# Altium PCB BTF16_2.PcbDoc (part 1 of 4) (continued)
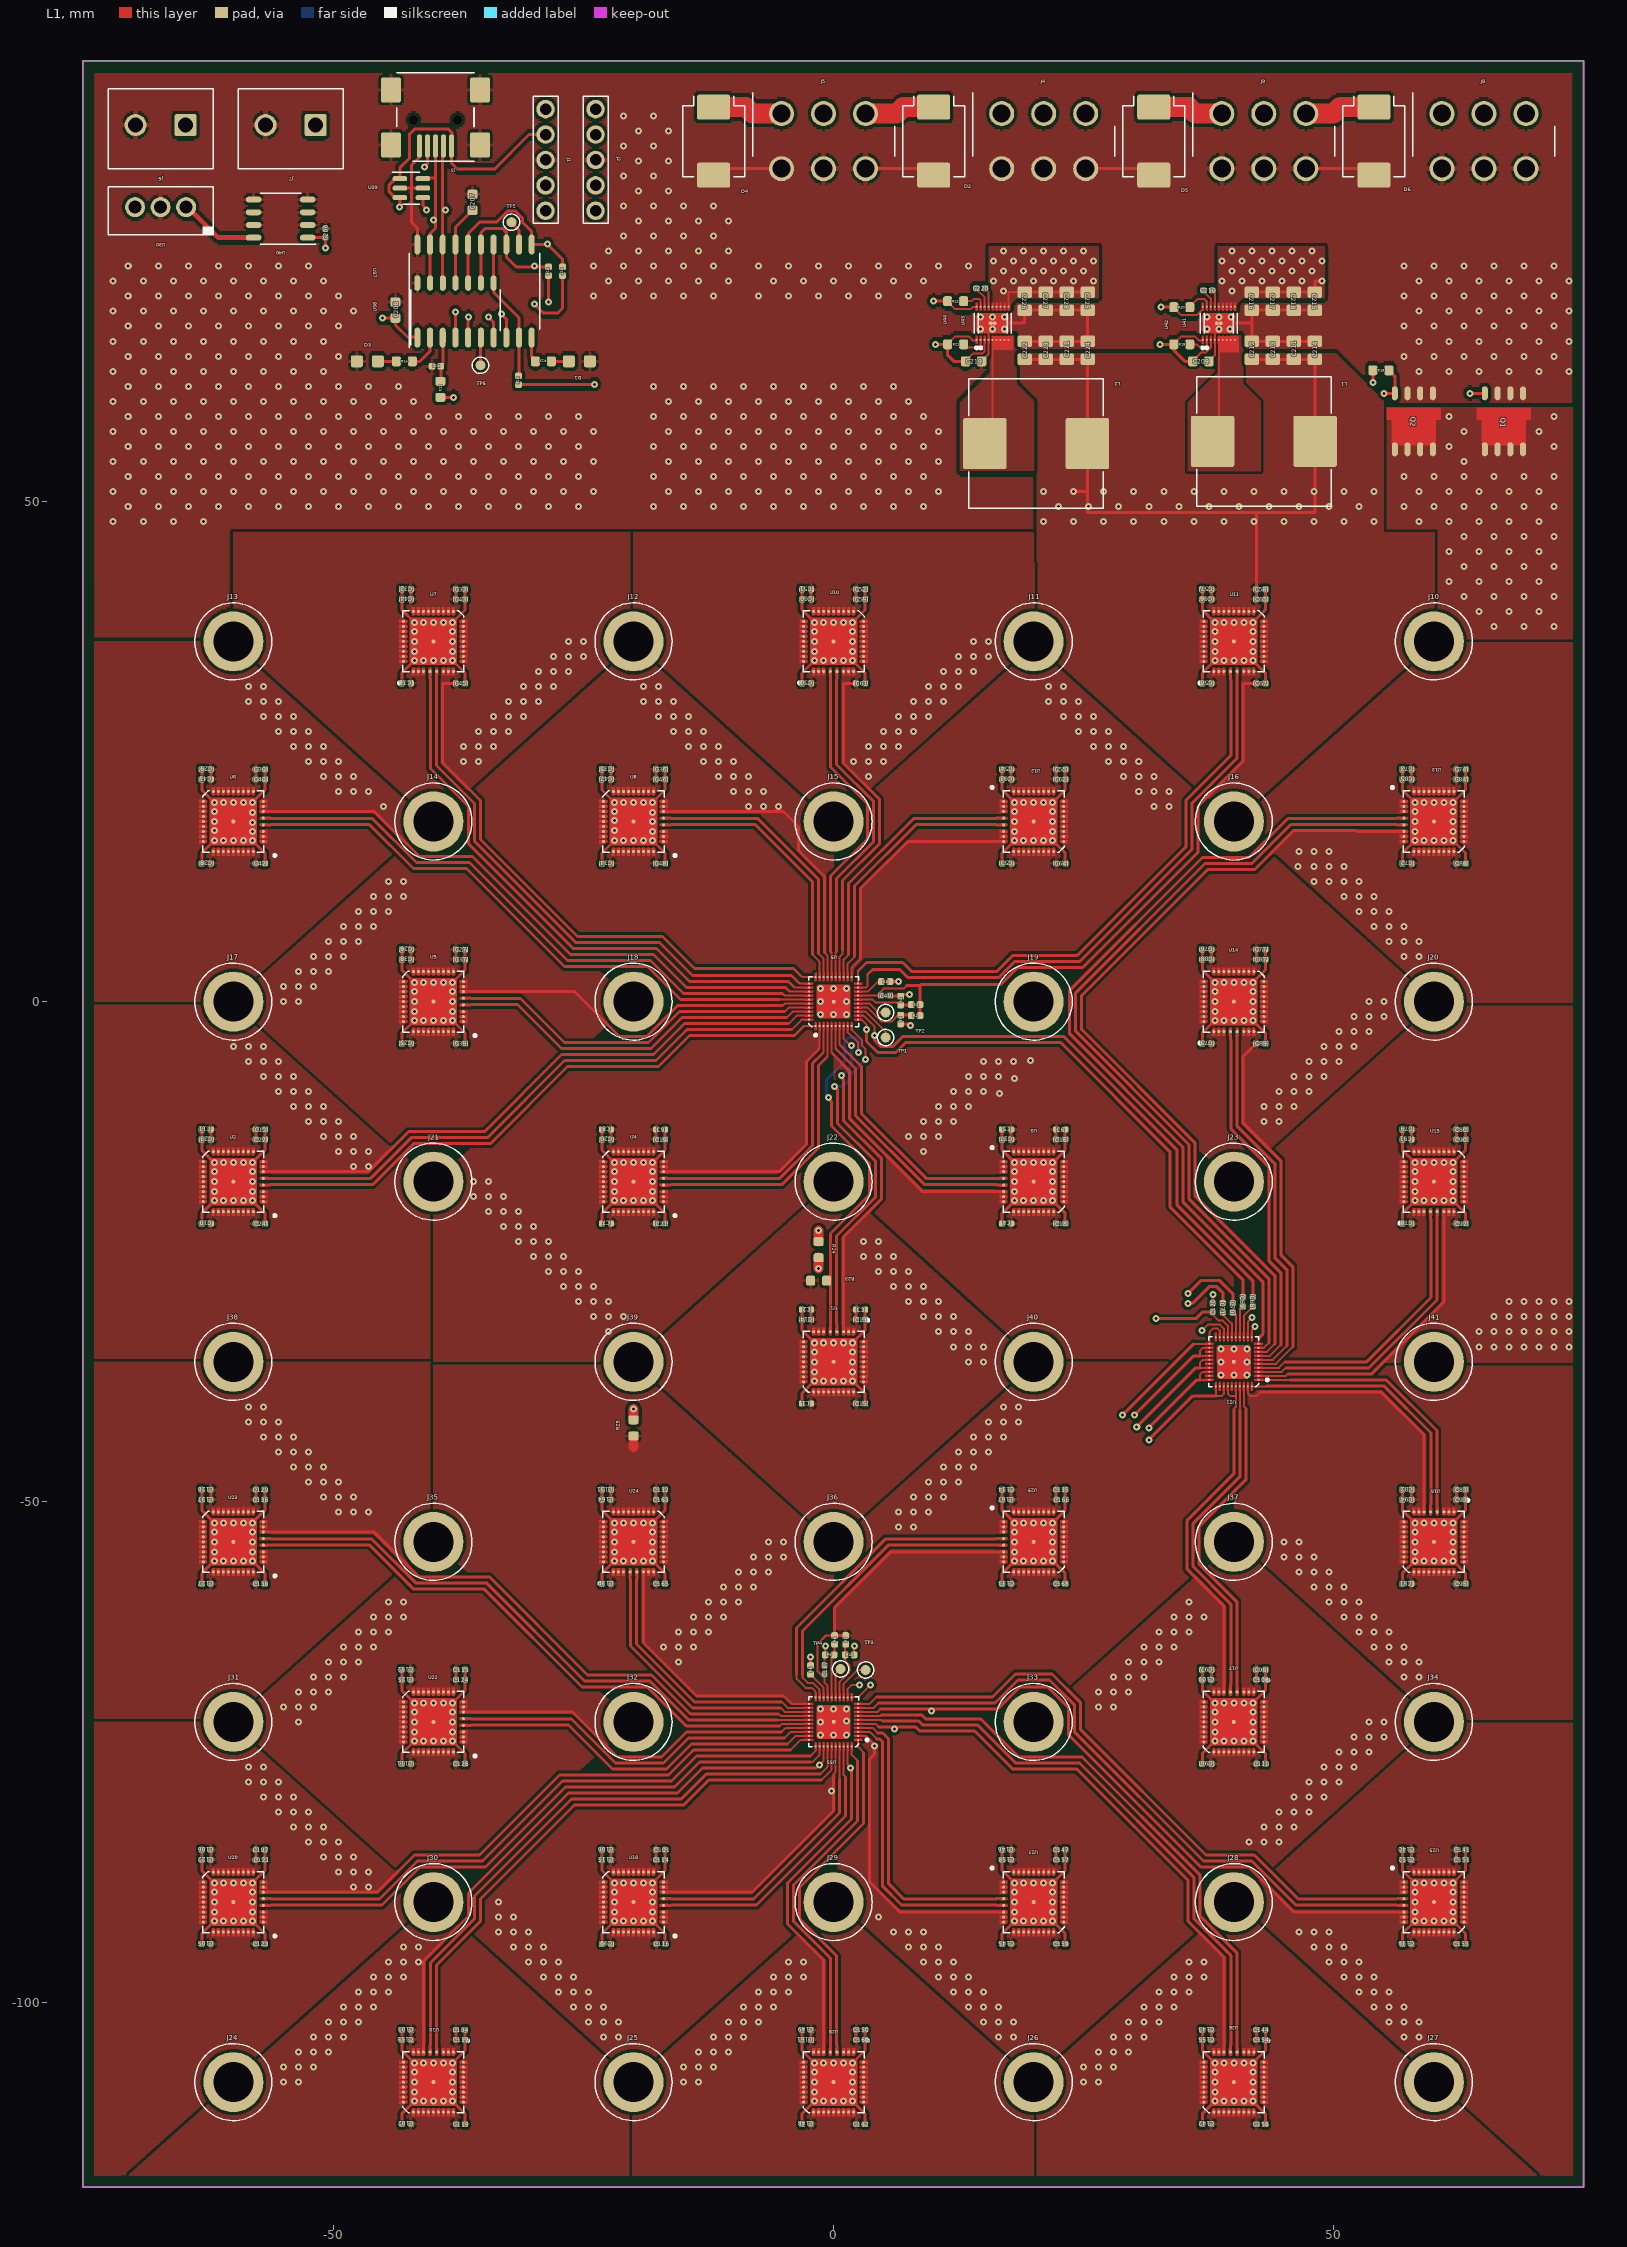
[diagram p0: L1 view]
## Design rules (kind name [scope] priority, off if disabled: settings) (continued)
PolygonConnect "Polygon Connect Style - L1 Square-rect thru-hole pad from global defaults" [IsPad And OnMultiLayer And (PadShape_TopLayer = 'Rounded Rectangle') And (PadXSize_TopLayer = PADYSize_TopLayer) And (Pad_CornerRadius_TopLayer = '0%') vs Layer = 'L1'] p42: connectstyle=Relief reliefconductorwidth=0.5 reliefentries=4 polygonreliefangle="90 Angle" airgapwidth=0.254
PolygonConnect "Polygon Connect Style - L4 Oval thru-hole pad from global defaults" [IsPad And OnMultiLayer And (PadShape_BottomLayer = 'Round') And (PadXSize_BottomLayer <> PADYSize_BottomLayer) vs Layer = 'L4'] p43: connectstyle=Relief reliefconductorwidth=0.5 reliefentries=4 polygonreliefangle="90 Angle" airgapwidth=0.254
PolygonConnect "Polygon Connect Style - L4 Round-oval thru-hole pad from global defaults" [IsPad And OnMultiLayer And (PadShape_BottomLayer = 'Rounded Rectangle') And (PadXSize_BottomLayer = PADYSize_BottomLayer) And (Pad_CornerRadius_BottomLayer = '100%') vs Layer = 'L4'] p44: connectstyle=Relief reliefconductorwidth=0.5 reliefentries=4 polygonreliefangle="90 Angle" airgapwidth=0.254
PolygonConnect "Polygon Connect Style - L3 Oval thru-hole pad from global defaults" [IsPad And OnMultiLayer And (PadShape_MidLayer2 = 'Round') And (PadXSize_MidLayer2 <> PADYSize_MidLayer2) vs Layer = 'L3'] p45: connectstyle=Relief reliefconductorwidth=0.5 reliefentries=4 polygonreliefangle="90 Angle" airgapwidth=0.254
PolygonConnect "Polygon Connect Style - L3 Round-oval thru-hole pad from global defaults" [IsPad And OnMultiLayer And (PadShape_MidLayer2 = 'Rounded Rectangle') And (PadXSize_MidLayer2 = PADYSize_MidLayer2) And (Pad_CornerRadius_MidLayer2 = '100%') vs Layer = 'L3'] p46: connectstyle=Relief reliefconductorwidth=0.5 reliefentries=4 polygonreliefangle="90 Angle" airgapwidth=0.254
PolygonConnect "Polygon Connect Style - L2 Oval thru-hole pad from global defaults" [IsPad And OnMultiLayer And (PadShape_MidLayer1 = 'Round') And (PadXSize_MidLayer1 <> PADYSize_MidLayer1) vs Layer = 'L2'] p47: connectstyle=Relief reliefconductorwidth=0.5 reliefentries=4 polygonreliefangle="90 Angle" airgapwidth=0.254
PolygonConnect "Polygon Connect Style - L2 Round-oval thru-hole pad from global defaults" [IsPad And OnMultiLayer And (PadShape_MidLayer1 = 'Rounded Rectangle') And (PadXSize_MidLayer1 = PADYSize_MidLayer1) And (Pad_CornerRadius_MidLayer1 = '100%') vs Layer = 'L2'] p48: connectstyle=Relief reliefconductorwidth=0.5 reliefentries=4 polygonreliefangle="90 Angle" airgapwidth=0.254
PolygonConnect "Polygon Connect Style - L1 Oval thru-hole pad from global defaults" [IsPad And OnMultiLayer And (PadShape_TopLayer = 'Round') And (PadXSize_TopLayer <> PADYSize_TopLayer) vs Layer = 'L1'] p49: connectstyle=Relief reliefconductorwidth=0.5 reliefentries=4 polygonreliefangle="90 Angle" airgapwidth=0.254
PolygonConnect "Polygon Connect Style - L1 Round-oval thru-hole pad from global defaults" [IsPad And OnMultiLayer And (PadShape_TopLayer = 'Rounded Rectangle') And (PadXSize_TopLayer = PADYSize_TopLayer) And (Pad_CornerRadius_TopLayer = '100%') vs Layer = 'L1'] p50: connectstyle=Relief reliefconductorwidth=0.5 reliefentries=4 polygonreliefangle="90 Angle" airgapwidth=0.254
PolygonConnect [All] p51: connectstyle=Relief reliefconductorwidth=0.254 reliefentries=4 polygonreliefangle="90 Angle" airgapwidth=0.254
RoutingLayers "'Default' PADS rule_3" [All] p1: top layer_v5=TRUE mid layer 1_v5=TRUE mid layer 2_v5=TRUE bottom layer_v5=TRUE
RoutingPriority "'Default' PADS rule_2" [All] p1: routingpriority=3
RoutingTopology "'Default' PADS rule" [All] p1: topology=Shortest
RoutingVias "'Default' PADS rule_4" [All] p1: holewidth=0.3 width=0.7 viastyle="Through Hole" minholewidth=0.3 minwidth=0.7 maxholewidth=0.3 maxwidth=0.7
SMDToCorner "'Default' PADS rule_17" [All] p1: distance=39370
SMDToPlane "'Default' PADS rule_18" [All] p1: distance=39370
SolderMaskExpansion [All] p1: expansion=0.102
StubLength "'Default' PADS rule_6" [All] p1: limit=25.4
Width "'Default' PADS rule_14" [All] p1: maxlimit=3 minlimit=0.2 preferedwidth=0.3
22 further rules are at their usual default settings.

## Classes and differential pairs
component class Block: C68 C69 C70 C71 J10 J11 J12 J13 J14 J15 J16 J17 J18 J19 J20 J21 J22 J23 J24 J25 J26 J27 J28 J29 J30 J31 J32 J33 J34 J35 J36 J37 J38 J39 J40 J41 Q1 Q2 R1 R2 R3 R4 R5 R6 R7 R8 R9 R10 TP1 TP2 TP3 TP4
component class U_ASIC_1: C72 C73 C74 C75 C76 C77 C78 C79 C80 C81 C82 C83 C84 C85 C86 C87 C88 C89 C90 C91 C92 C93 C94 C95 C96 C97 C98 C108 C109 C110 C120 U13 U14 U15 U16 U17 U21
component class U_ASIC_2: C99 C100 C101 C102 C103 C104 C105 C106 C107 C111 C112 C113 C114 C115 C116 C117 C118 C119 C121 C122 C123 C124 C125 C126 C127 C128 C129 C130 C131 C132 C133 C134 C135 C136 C137 C138 C139 C140 C141 C142 C143 C144 C145 C146 C147 C148 C149 C150 C151 C152 C153 C154 C155 C156 C157 C158 C159 C160 C161 C162 C163 C164 C165 C166 C167 C168 C187 U18 U19 U20 U22 U23 U24 U25 U26 U27 U28 U29 U33
component class U_ASIC_3: C1 C2 C3 C4 C5 C6 C7 C8 C9 C10 C11 C12 C13 C14 C15 C16 C17 C18 C19 C20 C21 C22 C23 C24 C25 C26 C27 C28 C29 C30 C31 C32 C33 C34 C35 C36 C37 C38 C39 C40 C41 C42 C43 C44 C45 C46 C47 C48 C49 C50 C51 C52 C53 C54 C55 C56 C57 C58 C59 C60 C61 C62 C63 C64 C65 C66 C67 R23 R24 R25 U1 U2 U3 U4 U5 U6 U7 U8 U9 U10 U11 U12
component class U_MCU: C206 C207 C208 D1 D2 D3 D4 D5 D6 J1 J2 J3 J4 J5 J6 J7 J8 J9 R11 R12 R13 R14 R15 R16 R17 R18 TP5 TP6 U30 U37 U38 U39 U40
component class U_POWER: C209 C210 C211 C212 C213 C214 C215 C216 C217 C218 C219 C220 C221 C222 C223 C224 C225 C226 C227 C228 L1 L2 R19 R20 R21 R22 U41 U42 U43 U44
pad class Flooded: C211-1 C211-2 C212-1 C212-2 C213-1 C213-2 C214-1 C214-2 C215-1 C215-2 C216-1 C216-2 C217-1 C217-2 C218-1 C218-2 C221-1 C221-2 C222-1 C222-2 C223-1 C223-2 C224-1 C224-2 C225-1 C225-2 C226-1 C226-2 C227-1 C227-2 C228-1 C228-2 D2-1 D2-2 D4-1 D4-2 D5-1 D5-2 D6-1 D6-2 J4-1 J4-2 J4-3 J4-4 J4-5 J4-6 J5-1 J5-2 J5-3 J5-4 L1-1 L1-2 L2-1 L2-2 Q1-1 Q1-2 Q1-3 Q1-4 Q1-5 Q1-6 Q1-7 Q1-8 Q2-1 Q2-2 Q2-3 Q2-4 Q2-5 Q2-6 Q2-7 Q2-8 U1-1 U1-2 U1-3 U1-4 U1-5 U1-6 U1-7 U1-8 U1-9 U1-10 U1-11 U1-12 U1-13 U1-14 U1-15 U1-16 U1-17 U1-18 U1-19 U1-20 U1-21 U1-22 U1-23 U1-24 U1-25 U1-26 U1-27 U1-28 U1-29 U1-30 U1-31 U1-32 U1-33 U1-34 U1-35 U1-36 U2-1 U2-2 U2-3 U2-4 U2-5 U2-6 U2-7 U2-8 U2-9 U2-10 U2-11 U2-12 U2-13 U2-14 U2-15 U2-16 U2-17 U2-18 U2-19 U2-20 U2-21 U2-22 U2-23 U2-24 U2-25 U2-26 U2-27 U2-28 U2-29 U2-30 U2-31 U2-32 U2-33 U2-34 U2-35 U2-36 U3-1 U3-2 U3-3 U3-4 U3-5 U3-6 U3-7 U3-8 U3-9 U3-10 U3-11 U3-12 U3-13 U3-14 U3-15 U3-16 U3-17 U3-18 U3-19 U3-20 U3-21 U3-22 U3-23 U3-24 U3-25 U3-26 U3-27 U3-28 U3-29 U3-30 U3-31 U3-32 U3-33 U3-34 U3-35 U3-36 U4-1 U4-2 U4-3 U4-4 U4-5 U4-6 U4-7 U4-8 U4-9 U4-10 U4-11 U4-12 U4-13 U4-14 U4-15 U4-16 U4-17 U4-18 U4-19 U4-20 U4-21 U4-22 U4-23 U4-24 U4-25 U4-26 U4-27 U4-28 U4-29 U4-30 U4-31 U4-32 U4-33 U4-34 U4-35 U4-36 U5-1 U5-2 U5-3 U5-4 U5-5 U5-6 U5-7 U5-8 U5-9 U5-10 U5-11 U5-12 U5-13 U5-14 U5-15 U5-16 U5-17 U5-18 U5-19 U5-20 U5-21 U5-22 U5-23 U5-24 U5-25 U5-26 U5-27 U5-28 U5-29 U5-30 U5-31 U5-32 U5-33 U5-34 U5-35 U5-36 U6-1 U6-2 U6-3 U6-4 U6-5 U6-6 U6-7 U6-8 U6-9 U6-10 U6-11 U6-12 U6-13 U6-14 U6-15 U6-16 U6-17 U6-18 U6-19 U6-20 U6-21 U6-22 U6-23 U6-24 U6-25 U6-26 U6-27 U6-28 U6-29 U6-30 U6-31 U6-32 U6-33 U6-34 U6-35 U6-36 U7-1 U7-2 U7-3 U7-4 U7-5 U7-6 U7-7 U7-8 U7-9 U7-10 U7-11 U7-12 U7-13 U7-14 U7-15 U7-16 U7-17 U7-18 U7-19 U7-20 U7-21 U7-22 U7-23 U7-24 U7-25 U7-26 U7-27 U7-28 U7-29 U7-30 U7-31 U7-32 U7-33 U7-34 U7-35 U7-36 U8-1 U8-2 U8-3 U8-4 U8-5 U8-6 U8-7 U8-8 U8-9 U8-10 U8-11 U8-12 U8-13 U8-14 U8-15 U8-16 U8-17 U8-18 U8-19 U8-20 U8-21 U8-22 U8-23 U8-24 U8-25 U8-26 U8-27 U8-28 U8-29 U8-30 U8-31 U8-32 U8-33 U8-34 U8-35 U8-36 U10-1 U10-2 U10-3 U10-4 U10-5 U10-6 U10-7 U10-8 U10-9 U10-10 U10-11 U10-12 U10-13 U10-14 U10-15 U10-16 U10-17 U10-18 U10-19 U10-20 U10-21 U10-22 U10-23 U10-24 U10-25 U10-26 U10-27 U10-28 U10-29 U10-30 U10-31 U10-32 U10-33 U10-34 U10-35 U10-36 U11-1 U11-2 U11-3 U11-4 U11-5 U11-6 U11-7 U11-8 U11-9 U11-10 U11-11 U11-12 U11-13 U11-14 U11-15 U11-16 U11-17 U11-18 U11-19 U11-20 U11-21 U11-22 U11-23 U11-24 U11-25 U11-26 U11-27 U11-28 U11-29 U11-30 U11-31 U11-32 U11-33 U11-34 U11-35 U11-36 U12-1 U12-2 U12-3 U12-4 U12-5 U12-6 U12-7 U12-8 U12-9 U12-10 U12-11 U12-12 U12-13 U12-14 U12-15 U12-16 U12-17 U12-18 U12-19 U12-20 U12-21 U12-22 U12-23 U12-24 U12-25 U12-26 U12-27 U12-28 U12-29 U12-30 U12-31 U12-32 U12-33 U12-34 U12-35 U12-36 U13-1 U13-2 U13-3 U13-4 U13-5 U13-6 U13-7 U13-8 U13-9 U13-10 U13-11 U13-12 U13-13 U13-14 U13-15 U13-16 U13-17 U13-18 U13-19 U13-20 U13-21 U13-22 U13-23 U13-24 U13-25 U13-26 U13-27 U13-28 U13-29 U13-30 U13-31 U13-32 U13-33 U13-34 U13-35 U13-36 U14-1 U14-2 U14-3 U14-4 U14-5 U14-6 U14-7 U14-8 U14-9 U14-10 U14-11 U14-12 U14-13 U14-14 U14-15 U14-16 U14-17 U14-18 U14-19 U14-20 U14-21 U14-22 U14-23 U14-24 U14-25 U14-26 U14-27 U14-28 U14-29 U14-30 U14-31 U14-32 U14-33 U14-34 U14-35 U14-36 U15-1 U15-2 U15-3 U15-4 U15-5 U15-6 U15-7 U15-8 U15-9 U15-10 U15-11 U15-12 U15-13 U15-14 U15-15 U15-16 U15-17 U15-18 U15-19 U15-20 U15-21 U15-22 U15-23 U15-24 U15-25 U15-26 U15-27 U15-28 U15-29 U15-30 U15-31 U15-32 U15-33 U15-34 U15-35 U15-36 U16-1 U16-2 U16-3 U16-4 U16-5 U16-6 U16-7 U16-8 U16-9 U16-10 U16-11 U16-12 U16-13 U16-14 U16-15 U16-16 U16-17 U16-18 U16-19 U16-20 U16-21 U16-22 U16-23 U16-24 U16-25 U16-26 U16-27 U16-28 U16-29 U16-30 U16-31 U16-32 U16-33 U16-34 U16-35 U16-36 U17-1 U17-2 U17-3 U17-4 U17-5 U17-6 U17-7 U17-8 U17-9 U17-10 U17-11 U17-12 U17-13 U17-14 U17-15 U17-16 U17-17 U17-18 U17-19 U17-20 U17-21 U17-22 U17-23 U17-24 U17-25 U17-26 U17-27 U17-28 U17-29 U17-30 U17-31 U17-32 U17-33 U17-34 U17-35 U17-36 U18-1 U18-2 U18-3 U18-4 U18-5 U18-6 U18-7 U18-8 U18-9 U18-10 U18-11 U18-12 U18-13 U18-14 U18-15 U18-16 U18-17 U18-18 U18-19 U18-20 U18-21 U18-22 U18-23 U18-24 U18-25 U18-26 U18-27 U18-28 U18-29 U18-30 U18-31 U18-32 U18-33 U18-34 U18-35 U18-36 U19-1 U19-2 U19-3 U19-4 U19-5 U19-6 U19-7 U19-8 U19-9 U19-10 U19-11 U19-12 U19-13 U19-14 U19-15 U19-16 U19-17 U19-18 U19-19 U19-20 U19-21 U19-22 U19-23 U19-24 U19-25 U19-26 U19-27 U19-28 U19-29 U19-30 U19-31 U19-32 U19-33 U19-34 U19-35 U19-36 U20-1 U20-2 U20-3 U20-4 U20-5 U20-6 U20-7 U20-8 U20-9 U20-10 U20-11 U20-12 U20-13 U20-14 U20-15 U20-16 U20-17 U20-18 U20-19 U20-20 U20-21 U20-22 U20-23 U20-24 U20-25 U20-26 U20-27 U20-28 U20-29 U20-30 U20-31 U20-32 U20-33 U20-34 U20-35 U20-36 U22-1 U22-2 U22-3 U22-4 U22-5 U22-6 U22-7 U22-8 U22-9 U22-10 U22-11 U22-12 U22-13 U22-14 U22-15 U22-16 U22-17 U22-18 U22-19 U22-20 U22-21 U22-22 U22-23 U22-24 U22-25 U22-26 U22-27 U22-28 U22-29 U22-30 U22-31 U22-32 U22-33 U22-34 U22-35 U22-36 U23-1 U23-2 U23-3 U23-4 U23-5 U23-6 U23-7 U23-8 U23-9 U23-10 U23-11 U23-12 U23-13 U23-14 U23-15 U23-16 U23-17 U23-18 U23-19 U23-20 U23-21 U23-22 U23-23 U23-24 U23-25 U23-26 U23-27 U23-28 U23-29 U23-30 U23-31 U23-32 U23-33 U23-34 U23-35 U23-36 U24-1 U24-2 U24-3 U24-4 U24-5 U24-6 U24-7 U24-8 U24-9 U24-10 U24-11 U24-12 U24-13 U24-14 U24-15 U24-16 U24-17 U24-18 U24-19 U24-20 U24-21 U24-22 U24-23 U24-24 U24-25 U24-26 U24-27 U24-28 U24-29 U24-30 U24-31 U24-32 U24-33 U24-34 U24-35 U24-36 U25-1 U25-2 U25-3 U25-4 U25-5 U25-6 U25-7 U25-8 U25-9 U25-10 U25-11 U25-12 U25-13 U25-14 U25-15 U25-16 U25-17 U25-18 U25-19 U25-20 U25-21 U25-22 U25-23 U25-24 U25-25 U25-26 U25-27 U25-28 U25-29 U25-30 U25-31 U25-32 U25-33 U25-34 U25-35 U25-36 U26-1 U26-2 U26-3 U26-4 U26-5 U26-6 U26-7 U26-8 U26-9 U26-10 U26-11 U26-12 U26-13 U26-14 U26-15 U26-16 U26-17 U26-18 U26-19 U26-20 U26-21 U26-22 U26-23 U26-24 U26-25 U26-26 U26-27 U26-28 U26-29 U26-30 U26-31 U26-32 U26-33 U26-34 U26-35 U26-36 U27-1 U27-2 U27-3 U27-4 U27-5 U27-6 U27-7 U27-8 U27-9 U27-10 U27-11 U27-12 U27-13 U27-14 U27-15 U27-16 U27-17 U27-18 U27-19 U27-20 U27-21 U27-22 U27-23 U27-24 U27-25 U27-26 U27-27 U27-28 U27-29 U27-30 U27-31 U27-32 U27-33 U27-34 U27-35 U27-36 U28-1 U28-2 U28-3 U28-4 U28-5 U28-6 U28-7 U28-8 U28-9 U28-10 U28-11 U28-12 U28-13 U28-14 U28-15 U28-16 U28-17 U28-18 U28-19 U28-20 U28-21 U28-22 U28-23 U28-24 U28-25 U28-26 U28-27 U28-28 U28-29 U28-30 U28-31 U28-32 U28-33 U28-34 U28-35 U28-36 U29-1 U29-2 U29-3 U29-4 U29-5 U29-6 U29-7 U29-8 U29-9 U29-10 U29-11 U29-12 U29-13 U29-14 U29-15 U29-16 U29-17 U29-18 U29-19 U29-20 U29-21 U29-22 U29-23 U29-24 U29-25 U29-26 U29-27 U29-28 U29-29 U29-30 U29-31 U29-32 U29-33 U29-34 U29-35 U29-36 U41-1 U41-2 U41-3 U41-4 U41-5 U41-6 U41-7 U41-8 U41-9 U41-10 U41-11 U41-12 U41-13 U41-14 U41-15 U41-16 U41-17 U42-1 U42-2 U42-3 U42-4 U42-5 U42-6 U42-7 U42-8 U42-9 U42-10 U42-11 U42-12 U42-13 U42-14 U42-15 U42-16 U42-17 U43-1 U43-2 U43-3 U43-4 U43-5 U43-6 U43-7 U43-8 U43-9 U43-10 U43-11 U43-12 U43-13 U43-14 U43-15 U43-16 U43-17 U44-1 U44-2 U44-3 U44-4 U44-5 U44-6 U44-7 U44-8 U44-9 U44-10 U44-11 U44-12 U44-13 U44-14 U44-15 U44-16 U44-17

## Components (designator, comment, footprint, x,y, rotation, side; value= is the part's Value field where it differs from the comment)
C1 "C" SMD_0402_CAPC1005X70N -2.701,-40.184 r180 top
C2 "C" SMD_0402_CAPC1005X70N -2.701,-30.784 r180 top
C3 "C" SMD_0402_CAPC1005X70N 2.699,-30.784 r0 top
C4 "C" SMD_0402_CAPC1005X70N 17.299,-22.184 r180 top
C5 "C" SMD_0402_CAPC1005X70N 17.299,-12.784 r180 top
C6 "C" SMD_0402_CAPC1005X70N 22.699,-12.784 r0 top
C7 "C" SMD_0402_CAPC1005X70N -22.701,-22.184 r180 top
C8 "C" SMD_0402_CAPC1005X70N -22.701,-12.784 r180 top
C9 "C" SMD_0402_CAPC1005X70N -17.301,-12.784 r0 top
C10 "C" SMD_0402_CAPC1005X70N -62.701,-22.184 r180 top
C11 "C" SMD_0402_CAPC1005X70N -62.701,-12.784 r180 top
C12 "C" SMD_0402_CAPC1005X70N -57.301,-12.784 r0 top
C13 "C" SMD_0402_CAPC1005X70N 2.699,-31.784 r0 top
C14 "C" SMD_0402_CAPC1005X70N -2.701,-31.784 r180 top
C15 "C" SMD_0402_CAPC1005X70N 2.699,-40.184 r0 top
C16 "C" SMD_0402_CAPC1005X70N 22.699,-13.784 r0 top
C17 "C" SMD_0402_CAPC1005X70N 17.299,-13.784 r180 top
C18 "C" SMD_0402_CAPC1005X70N 22.699,-22.184 r0 top
C19 "C" SMD_0402_CAPC1005X70N -17.301,-13.784 r0 top
C20 "C" SMD_0402_CAPC1005X70N -22.701,-13.784 r180 top
C21 "C" SMD_0402_CAPC1005X70N -17.301,-22.184 r0 top
C22 "C" SMD_0402_CAPC1005X70N -57.301,-13.784 r0 top
C23 "C" SMD_0402_CAPC1005X70N -62.701,-13.784 r180 top
C24 "C" SMD_0402_CAPC1005X70N -57.301,-22.184 r0 top
C25 "C" SMD_0402_CAPC1005X70N -42.701,-4.184 r180 top
C26 "C" SMD_0402_CAPC1005X70N -42.701,5.216 r180 top
C27 "C" SMD_0402_CAPC1005X70N -37.301,5.216 r0 top
C28 "C" SMD_0402_CAPC1005X70N -62.701,13.816 r180 top
C29 "C" SMD_0402_CAPC1005X70N -62.701,23.216 r180 top
C30 "C" SMD_0402_CAPC1005X70N -57.301,23.216 r0 top
C31 "C" SMD_0402_CAPC1005X70N -42.701,31.816 r180 top
C32 "C" SMD_0402_CAPC1005X70N -42.701,41.216 r180 top
C33 "C" SMD_0402_CAPC1005X70N -37.301,41.216 r0 top
C34 "C" SMD_0402_CAPC1005X70N -22.701,13.816 r180 top
C35 "C" SMD_0402_CAPC1005X70N -22.701,23.216 r180 top
C36 "C" SMD_0402_CAPC1005X70N -17.301,23.216 r0 top
C37 "C" SMD_0402_CAPC1005X70N -37.301,4.216 r0 top
C38 "C" SMD_0402_CAPC1005X70N -42.701,4.216 r180 top
C39 "C" SMD_0402_CAPC1005X70N -37.301,-4.184 r0 top
C40 "C" SMD_0402_CAPC1005X70N -57.301,22.216 r0 top
C41 "C" SMD_0402_CAPC1005X70N -62.701,22.216 r180 top
C42 "C" SMD_0402_CAPC1005X70N -57.301,13.816 r0 top
C43 "C" SMD_0402_CAPC1005X70N -37.301,40.216 r0 top
C44 "C" SMD_0402_CAPC1005X70N -42.701,40.216 r180 top
C45 "C" SMD_0402_CAPC1005X70N -37.301,31.816 r0 top
C46 "C" SMD_0402_CAPC1005X70N -17.301,22.216 r0 top
C47 "C" SMD_0402_CAPC1005X70N -22.701,22.216 r180 top
C48 "C" SMD_0402_CAPC1005X70N -17.301,13.816 r0 top
C49 "C" SMD_0402_CAPC1005X55N 5.2,0.6 r0 top
C50 "C" SMD_0402_CAPC1005X70N -2.701,31.816 r180 top
C51 "C" SMD_0402_CAPC1005X70N -2.701,41.216 r180 top
C52 "C" SMD_0402_CAPC1005X70N 2.699,41.216 r0 top
C53 "C" SMD_0402_CAPC1005X70N 17.299,13.816 r180 top
C54 "C" SMD_0402_CAPC1005X70N 17.299,23.216 r180 top
C55 "C" SMD_0402_CAPC1005X70N 22.699,23.216 r0 top
C56 "C" SMD_0402_CAPC1005X70N 37.299,31.816 r180 top
C57 "C" SMD_0402_CAPC1005X70N 37.299,41.216 r180 top
C58 "C" SMD_0402_CAPC1005X70N 42.699,41.216 r0 top
C59 "C" SMD_0402_CAPC1005X70N 2.699,40.216 r0 top
C60 "C" SMD_0402_CAPC1005X70N -2.701,40.216 r180 top
C61 "C" SMD_0402_CAPC1005X70N 2.699,31.816 r0 top
C62 "C" SMD_0402_CAPC1005X70N 22.699,22.216 r0 top
C63 "C" SMD_0402_CAPC1005X70N 17.299,22.216 r180 top
C64 "C" SMD_0402_CAPC1005X70N 22.699,13.816 r0 top
C65 "C" SMD_0402_CAPC1005X70N 42.699,40.216 r0 top
C66 "C" SMD_0402_CAPC1005X70N 37.299,40.216 r180 top
C67 "C" SMD_0402_CAPC1005X70N 42.699,31.816 r0 top
C68 "C" SMD_0402_CAPC1005X55N 41.9,-30 r270 top
C69 "C" SMD_0402_CAPC1005X55N 40.9,-30 r270 top
C70 "C" SMD_0402_CAPC1005X55N 39.9,-30.6 r270 top
C71 "C" SMD_0402_CAPC1005X55N 38.9,-30.6 r270 top
C72 "C" SMD_0402_CAPC1005X70N 57.299,13.816 r180 top
C73 "C" SMD_0402_CAPC1005X70N 57.299,23.216 r180 top
C74 "C" SMD_0402_CAPC1005X70N 62.699,23.216 r0 top
C75 "C" SMD_0402_CAPC1005X70N 37.299,-4.184 r180 top
C76 "C" SMD_0402_CAPC1005X70N 37.299,5.216 r180 top
C77 "C" SMD_0402_CAPC1005X70N 42.699,5.216 r0 top
C78 "C" SMD_0402_CAPC1005X70N 57.299,-22.184 r180 top
C79 "C" SMD_0402_CAPC1005X70N 57.299,-12.784 r180 top
C80 "C" SMD_0402_CAPC1005X70N 62.699,-12.784 r0 top
C81 "C" SMD_0402_CAPC1005X70N 57.299,-58.184 r180 top
C82 "C" SMD_0402_CAPC1005X70N 57.299,-48.784 r180 top
C83 "C" SMD_0402_CAPC1005X70N 62.699,-48.784 r0 top
C84 "C" SMD_0402_CAPC1005X70N 62.699,22.216 r0 top
C85 "C" SMD_0402_CAPC1005X70N 57.299,22.216 r180 top
C86 "C" SMD_0402_CAPC1005X70N 62.699,13.816 r0 top
C87 "C" SMD_0402_CAPC1005X70N 42.699,4.216 r0 top
C88 "C" SMD_0402_CAPC1005X70N 37.299,4.216 r180 top
C89 "C" SMD_0402_CAPC1005X70N 42.699,-4.184 r0 top
C90 "C" SMD_0402_CAPC1005X70N 62.699,-13.784 r0 top
C91 "C" SMD_0402_CAPC1005X70N 57.299,-13.784 r180 top
C92 "C" SMD_0402_CAPC1005X70N 62.699,-22.184 r0 top
C93 "C" SMD_0402_CAPC1005X70N 62.699,-49.784 r0 top
C94 "C" SMD_0402_CAPC1005X70N 57.299,-49.784 r180 top
C95 "C" SMD_0402_CAPC1005X70N 62.699,-58.184 r0 top
C96 "C" SMD_0402_CAPC1005X70N 37.299,-76.184 r180 top
C97 "C" SMD_0402_CAPC1005X70N 37.299,-66.784 r180 top
C98 "C" SMD_0402_CAPC1005X70N 42.699,-66.784 r0 top
C99 "C" SMD_0402_CAPC1005X70N -22.701,-94.184 r180 top
C100 "C" SMD_0402_CAPC1005X70N -22.701,-84.784 r180 top
C101 "C" SMD_0402_CAPC1005X70N -17.301,-84.784 r0 top
C102 "C" SMD_0402_CAPC1005X70N -42.701,-112.184 r180 top
C103 "C" SMD_0402_CAPC1005X70N -42.701,-102.784 r180 top
C104 "C" SMD_0402_CAPC1005X70N -37.301,-102.784 r0 top
C105 "C" SMD_0402_CAPC1005X70N -62.701,-94.184 r180 top
C106 "C" SMD_0402_CAPC1005X70N -62.701,-84.784 r180 top
C107 "C" SMD_0402_CAPC1005X70N -57.301,-84.784 r0 top
C108 "C" SMD_0402_CAPC1005X70N 42.699,-67.784 r0 top
C109 "C" SMD_0402_CAPC1005X70N 37.299,-67.784 r180 top
C110 "C" SMD_0402_CAPC1005X70N 42.699,-76.184 r0 top
C111 "C" SMD_0402_CAPC1005X70N -42.701,-76.184 r180 top
C112 "C" SMD_0402_CAPC1005X70N -42.701,-66.784 r180 top
C113 "C" SMD_0402_CAPC1005X70N -37.301,-66.784 r0 top
C114 "C" SMD_0402_CAPC1005X70N -17.301,-85.784 r0 top
C115 "C" SMD_0402_CAPC1005X70N -22.701,-85.784 r180 top
C116 "C" SMD_0402_CAPC1005X70N -17.301,-94.184 r0 top
C117 "C" SMD_0402_CAPC1005X70N -37.301,-103.784 r0 top
C118 "C" SMD_0402_CAPC1005X70N -42.701,-103.784 r180 top
C119 "C" SMD_0402_CAPC1005X70N -37.301,-112.184 r0 top
C120 "C" SMD_0402_CAPC1005X55N 37.9,-30.6 r90 top
C121 "C" SMD_0402_CAPC1005X70N -57.301,-85.784 r0 top
C122 "C" SMD_0402_CAPC1005X70N -62.701,-85.784 r180 top
C123 "C" SMD_0402_CAPC1005X70N -57.301,-94.184 r0 top
C124 "C" SMD_0402_CAPC1005X70N -37.301,-67.784 r0 top
C125 "C" SMD_0402_CAPC1005X70N -42.701,-67.784 r180 top
C126 "C" SMD_0402_CAPC1005X70N -37.301,-76.184 r0 top
C127 "C" SMD_0402_CAPC1005X70N -62.701,-58.184 r180 top
C128 "C" SMD_0402_CAPC1005X70N -62.701,-48.784 r180 top
C129 "C" SMD_0402_CAPC1005X70N -57.301,-48.784 r0 top
C130 "C" SMD_0402_CAPC1005X70N -22.701,-58.184 r180 top
C131 "C" SMD_0402_CAPC1005X70N -22.701,-48.784 r180 top
C132 "C" SMD_0402_CAPC1005X70N -17.301,-48.784 r0 top
C133 "C" SMD_0402_CAPC1005X70N 17.299,-58.184 r180 top
C134 "C" SMD_0402_CAPC1005X70N 17.299,-48.784 r180 top
C135 "C" SMD_0402_CAPC1005X70N 22.699,-48.784 r0 top
C136 "C" SMD_0402_CAPC1005X70N -57.301,-49.784 r0 top
C137 "C" SMD_0402_CAPC1005X70N -62.701,-49.784 r180 top
C138 "C" SMD_0402_CAPC1005X70N -57.301,-58.184 r0 top
C139 "C" SMD_0402_CAPC1005X70N 57.299,-94.184 r180 top
C140 "C" SMD_0402_CAPC1005X70N 57.299,-84.784 r180 top
C141 "C" SMD_0402_CAPC1005X70N 62.699,-84.784 r0 top
C142 "C" SMD_0402_CAPC1005X70N 37.299,-112.184 r180 top
C143 "C" SMD_0402_CAPC1005X70N 37.299,-102.784 r180 top
C144 "C" SMD_0402_CAPC1005X70N 42.699,-102.784 r0 top
C145 "C" SMD_0402_CAPC1005X70N 17.299,-94.184 r180 top
C146 "C" SMD_0402_CAPC1005X70N 17.299,-84.784 r180 top
C147 "C" SMD_0402_CAPC1005X70N 22.699,-84.784 r0 top
C148 "C" SMD_0402_CAPC1005X70N -2.701,-112.184 r180 top
C149 "C" SMD_0402_CAPC1005X70N -2.701,-102.784 r180 top
C150 "C" SMD_0402_CAPC1005X70N 2.699,-102.784 r0 top
C151 "C" SMD_0402_CAPC1005X70N 62.699,-85.784 r0 top
C152 "C" SMD_0402_CAPC1005X70N 57.299,-85.784 r180 top
C153 "C" SMD_0402_CAPC1005X70N 62.699,-94.184 r0 top
C154 "C" SMD_0402_CAPC1005X70N 42.699,-103.784 r0 top
C155 "C" SMD_0402_CAPC1005X70N 37.299,-103.784 r180 top
C156 "C" SMD_0402_CAPC1005X70N 42.699,-112.184 r0 top
C157 "C" SMD_0402_CAPC1005X70N 22.699,-85.784 r0 top
C158 "C" SMD_0402_CAPC1005X70N 17.299,-85.784 r180 top
C159 "C" SMD_0402_CAPC1005X70N 22.699,-94.184 r0 top
C160 "C" SMD_0402_CAPC1005X70N 2.699,-103.784 r0 top
C161 "C" SMD_0402_CAPC1005X70N -2.701,-103.784 r180 top
C162 "C" SMD_0402_CAPC1005X70N 2.699,-112.184 r0 top
C163 "C" SMD_0402_CAPC1005X70N -17.301,-49.784 r0 top
C164 "C" SMD_0402_CAPC1005X70N -22.701,-49.784 r180 top
C165 "C" SMD_0402_CAPC1005X70N -17.301,-58.184 r0 top
C166 "C" SMD_0402_CAPC1005X70N 22.699,-49.784 r0 top
C167 "C" SMD_0402_CAPC1005X70N 17.299,-49.784 r180 top
C168 "C" SMD_0402_CAPC1005X70N 22.699,-58.184 r0 top
C187 "C" SMD_0402_CAPC1005X55N -0.9,-66.8 r90 top
C206 "C" SMD_0402_CAPC1005X55N -50.8,76.8 r90 top
C207 "C" SMD_0603_CAPC1608X80N -36.1,79.9 r90 top
C208 "C" SMD_0603_CAPC1608X95N -43.792,69.12 r90 top
C209 "C" SMD_0603_CAPC1608X95N 36.7,64 r0 top
C210 "C" SMD_0402_CAPC1005X55N 37.4,71.1 r0 top
C211 "C" SMD_0805_CAPC2012X145N 46,65.1 r90 top
C212 "C" SMD_0805_CAPC2012X145N 41.8,65.1 r90 top
C213 "C" SMD_0805_CAPC2012X145N 43.9,65.1 r90 top
C214 "C" SMD_0805_CAPC2012X145N 48.1,65.1 r90 top
C215 "C" SMD_0805_CAPC2012X145N 48.1,70 r270 top
C216 "C" SMD_0805_CAPC2012X145N 41.8,70 r270 top
C217 "C" SMD_0805_CAPC2012X145N 43.9,70 r270 top
C218 "C" SMD_0805_CAPC2012X145N 46,70 r270 top
C219 "C" SMD_0603_CAPC1608X95N 14,64 r0 top
C220 "C" SMD_0402_CAPC1005X55N 14.7,71.3 r0 top
C221 "C" SMD_0805_CAPC2012X145N 23.3,65.1 r90 top
C222 "C" SMD_0805_CAPC2012X145N 19.1,65.1 r90 top
C223 "C" SMD_0805_CAPC2012X145N 21.2,65.1 r90 top
C224 "C" SMD_0805_CAPC2012X145N 25.4,65.1 r90 top
C225 "C" SMD_0805_CAPC2012X145N 25.4,70 r270 top
C226 "C" SMD_0805_CAPC2012X145N 19.1,70 r270 top
C227 "C" SMD_0805_CAPC2012X145N 21.2,70 r270 top
C228 "C" SMD_0805_CAPC2012X145N 23.3,70 r270 top
D1 "LED" SMD_LED2012X100N -25.4,64 r180 top
D2 "D_TVS_UNI" SMD_DO214AC_SMC 10,86 r270 top
D3 "LED" SMD_LED2012X100N -46.6,64 r0 top
D4 "D_TVS_UNI" SMD_DO214AC_SMC -12,86 r270 top
D5 "D_TVS_UNI" SMD_DO214AC_SMC 32,86 r270 top
D6 "D_TVS_UNI" SMD_DO214AC_SMC 54,86 r270 top
J1 "CON_5PINS" PTH_HDRV05W64P254_1X05 -28.792,84.12 r270 top
J2 "CON_5PINS" PTH_HDRV05W64P254_1X05 -23.792,84.12 r270 top
J3 "CON_USB_MINI_1" SMD_CON-CVILUX-CU04-SCM15B0 -39.792,88.12 r180 top
J4 "CON_2ROWS_6PINS_1" PTH_CON_WR-MRC4-6P_S 21,86 r0 top
J5 "CON_2ROWS_6PINS_1" PTH_CON_WR-MRC4-6P_S -1,86 r0 top
J6 "CON_2PINS" PTH_HDRV02W11060P500_1X02 -67.27,87.258 r180 top
J7 "CON_2PINS" PTH_HDRV02W11060P500_1X02 -54.27,87.258 r180 top
J8 "CON_2ROWS_6PINS_1" PTH_CON_WR-MRC4-6P_S 65,86 r0 top
J9 "CON_2ROWS_6PINS_1" PTH_CON_WR-MRC4-6P_S 43,86 r0 top
J10 "CON_1PIN" PTH_MTG400_700 60,36 r0 top
J11 "CON_1PIN" PTH_MTG400_700 20,36 r0 top
J12 "CON_1PIN" PTH_MTG400_700 -20,36 r0 top
J13 "CON_1PIN" PTH_MTG400_700 -60,36 r0 top
J14 "CON_1PIN" PTH_MTG400_700 -40,18 r0 top
J15 "CON_1PIN" PTH_MTG400_700 0,18 r0 top
J16 "CON_1PIN" PTH_MTG400_700 40,18 r0 top
J17 "CON_1PIN" PTH_MTG400_700 -60,0 r0 top
J18 "CON_1PIN" PTH_MTG400_700 -20,0 r0 top
J19 "CON_1PIN" PTH_MTG400_700 20,0 r0 top
J20 "CON_1PIN" PTH_MTG400_700 60,0 r0 top
J21 "CON_1PIN" PTH_MTG400_700 -40,-18 r0 top
J22 "CON_1PIN" PTH_MTG400_700 0,-18 r0 top
J23 "CON_1PIN" PTH_MTG400_700 40,-18 r0 top
J24 "CON_1PIN" PTH_MTG400_700 -60,-108 r0 top
J25 "CON_1PIN" PTH_MTG400_700 -20,-108 r0 top
J26 "CON_1PIN" PTH_MTG400_700 20,-108 r0 top
J27 "CON_1PIN" PTH_MTG400_700 60,-108 r0 top
J28 "CON_1PIN" PTH_MTG400_700 40,-90 r0 top
J29 "CON_1PIN" PTH_MTG400_700 0,-90 r0 top
J30 "CON_1PIN" PTH_MTG400_700 -40,-90 r0 top
J31 "CON_1PIN" PTH_MTG400_700 -60,-72 r0 top
J32 "CON_1PIN" PTH_MTG400_700 -20,-72 r0 top
J33 "CON_1PIN" PTH_MTG400_700 20,-72 r0 top
J34 "CON_1PIN" PTH_MTG400_700 60,-72 r0 top
J35 "CON_1PIN" PTH_MTG400_700 -40,-54 r0 top
J36 "CON_1PIN" PTH_MTG400_700 0,-54 r0 top
J37 "CON_1PIN" PTH_MTG400_700 40,-54 r0 top
J38 "CON_1PIN" PTH_MTG400_700 -60,-36 r0 top
J39 "CON_1PIN" PTH_MTG400_700 -20,-36 r0 top
J40 "CON_1PIN" PTH_MTG400_700 20,-36 r0 top
J41 "CON_1PIN" PTH_MTG400_700 60,-36 r0 top
L1 "470nH" SMT_INDM135130X800N 43,56 r180 top
L2 "470nH" SMT_INDM135130X800N 20.242,55.771 r180 top
Q1 "MOS_N_D1_S1S2S3G4D5D6D7D8" SMD_SOIC127P600X110-9AN 67,58 r270 top
Q2 "MOS_N_D1_S1S2S3G4D5D6D7D8" SMD_SOIC127P600X110-9AN 58,58 r270 top
R1 "R" SMD_0402_RESC1005X37N 8.2,-0.3 r0 top
R2 "R" SMD_0402_RESC1005X37N 8.2,-1.4 r0 top
R3 "R" SMD_0402_RESC1005X37N 5.2,2 r0 top
R4 "R" SMD_0402_RESC1005X37N 6.7,0.1 r90 top
R5 "R" SMD_0402_RESC1005X37N 6.7,-1.8 r270 top
R6 "R" SMD_0402_RESC1005X37N 0.1,-63.8 r90 top
R7 "R" SMD_0402_RESC1005X37N 1.2,-63.8 r90 top
R8 "R" SMD_0402_RESC1005X37N -2.3,-66.8 r90 top
R9 "R" SMD_0402_RESC1005X37N -0.4,-65.3 r180 top
R10 "R" SMD_0402_RESC1005X37N 1.6,-65.3 r0 top
R11 "R" SMD_0603_RESC1608X55N -39.3,61.2 r90 top
R12 "R" SMD_0402_RESC1005X37N -39.7,63.5 r180 top
R13 "R" SMD_0603_RESC1608X55N -29,64 r180 top
R14 "R" SMD_0603_RESC1608X55N -42.9,64 r0 top
R15 "R" SMD_0402_RESC1005X37N -31.5,62.1 r270 top
R16 "R" SMD_0402_RESC1005X37N -28.5,73 r270 top
R17 "R" SMD_0402_RESC1005X37N -27.1,73 r270 top
R18 "R" SMD_0603_RESC1608X55N 54.7,63.1 r0 top
R19 "R" SMD_0603_RESC1608X55N 34.8,65.7 r0 top
R20 "R" SMD_0603_RESC1608X55N 34.8,69.4 r0 top
R21 "R" SMD_0603_RESC1608X55N 12.2,65.7 r0 top
R22 "R" SMD_0603_RESC1608X55N 12.2,70 r0 top
R23 "R" SMD_0603_RESC1608X55N -1.5,-27.9 r180 top
R24 "R" SMD_0603_RESC1608X55N -1.5,-24.8 r270 top
R25 "R" SMD_0603_RESC1608X55N -20,-42.6 r90 top
TP1 "TEST_POINT_1" SMD_TP_100-254 5.2,-3.6 r0 top
TP2 "TEST_POINT_1" SMD_TP_100-254 5.2,-1.1 r0 top
TP3 "TEST_POINT_1" SMD_TP_100-254 3.2,-66.8 r0 top
TP4 "TEST_POINT_1" SMD_TP_100-254 0.7,-66.7 r0 top
TP5 "TEST_POINT_1" SMD_TP_100-254 -32.2,77.9 r270 top
TP6 "TEST_POINT_1" SMD_TP_100-254 -35.3,63.6 r270 top
U1 "IC_BITFURY16" SMD_QFN50P600X600X175-36AN 0,-36 r90 top
U2 "IC_BITFURY16" SMD_QFN50P600X600X175-36AN -60,-18 r0 top
U3 "IC_BITFURY16" SMD_QFN50P600X600X175-36AN 20,-18 r180 top
U4 "IC_BITFURY16" SMD_QFN50P600X600X175-36AN -20,-18 r0 top
U5 "IC_BITFURY16" SMD_QFN50P600X600X175-36AN -40,0 r0 top
U6 "IC_BITFURY16" SMD_QFN50P600X600X175-36AN -60,18 r0 top
U7 "IC_BITFURY16" SMD_QFN50P600X600X175-36AN -40,36 r270 top
U8 "IC_BITFURY16" SMD_QFN50P600X600X175-36AN -20,18 r0 top
U9 "IC_BTC250" SMD_QFN40P500X500X80-41N 0,0 r90 top
U10 "IC_BITFURY16" SMD_QFN50P600X600X175-36AN 0,36 r270 top
U11 "IC_BITFURY16" SMD_QFN50P600X600X175-36AN 40,36 r270 top
U12 "IC_BITFURY16" SMD_QFN50P600X600X175-36AN 20,18 r180 top
U13 "IC_BITFURY16" SMD_QFN50P600X600X175-36AN 60,18 r180 top
U14 "IC_BITFURY16" SMD_QFN50P600X600X175-36AN 40,0 r270 top
U15 "IC_BITFURY16" SMD_QFN50P600X600X175-36AN 60,-18 r270 top
U16 "IC_BITFURY16" SMD_QFN50P600X600X175-36AN 60,-54 r90 top
U17 "IC_BITFURY16" SMD_QFN50P600X600X175-36AN 40,-72 r90 top
U18 "IC_BITFURY16" SMD_QFN50P600X600X175-36AN -20,-90 r0 top
U19 "IC_BITFURY16" SMD_QFN50P600X600X175-36AN -40,-108 r90 top
U20 "IC_BITFURY16" SMD_QFN50P600X600X175-36AN -60,-90 r0 top
U21 "IC_BTC250" SMD_QFN40P500X500X80-41N 40,-36 r180 top
U22 "IC_BITFURY16" SMD_QFN50P600X600X175-36AN -40,-72 r0 top
U23 "IC_BITFURY16" SMD_QFN50P600X600X175-36AN -60,-54 r0 top
U24 "IC_BITFURY16" SMD_QFN50P600X600X175-36AN -20,-54 r270 top
U25 "IC_BITFURY16" SMD_QFN50P600X600X175-36AN 60,-90 r180 top
U26 "IC_BITFURY16" SMD_QFN50P600X600X175-36AN 40,-108 r90 top
U27 "IC_BITFURY16" SMD_QFN50P600X600X175-36AN 20,-90 r180 top
U28 "IC_BITFURY16" SMD_QFN50P600X600X175-36AN 0,-108 r90 top
U29 "IC_BITFURY16" SMD_QFN50P600X600X175-36AN 20,-54 r180 top
U30 "IC_Vin1GND2Vout3" PTH_TO220 -67.27,79.058 r180 top
U33 "IC_BTC250" SMD_QFN40P500X500X80-41N 0,-72 r180 top
U37 "IC_PIC16F1459" SMD_SOIC127P1030X265-20N -35.892,71.02 r90 top
U38 "IC_PIC16F1454TESL-SO14" SMD_SOIC127P600X175-14N -37.792,69.12 r90 top
U39 "D_TVS_QUAD_C1A2C3C4A5C6" SMD_SOT457_SOT95P275X110-6N -42.2,81.3 r0 top
U40 "IC_LM2931AD-5.0R2G_SO-8" SMD_SOIC127P600X175-8N -55.27,78.258 r180 top
U41 "CSD95379Q3M" SMD_SON40P330X330X100-17N 38.7,67.8 r90 top
U42 "CSD95379Q3M" SMD_SON40P330X330X100-17N 38.3,67.8 r90 top
U43 "CSD95379Q3M" SMD_SON40P330X330X100-17N 16.1,67.8 r90 top
U44 "CSD95379Q3M" SMD_SON40P330X330X100-17N 15.7,67.8 r90 top

## Footprints (in the part's own frame and the unit in brackets; to place one, negate y for a bottom-side part, rotate by r counter-clockwise, add the part's x,y. Pads: shape width x height; smd on the part's side, far side on the other; paste and mask are expansions set on the pad)
PTH_CON_WR-MRC4-6P_S [mm]
  round 2.5 hole 1.8 mask+0.075: 1(-4.2,2.75) 2(0,2.75) 3(4.2,2.75) 4(-4.2,-2.75) 5(0,-2.75) 6(4.2,-2.75)
  silkscreen extent -7.1,-1.5 7.1,4.85, body extent -7.25,-6.3 6.95,4.8, height 12.8